# Allegro board FEE5_10_30.brd (continued)
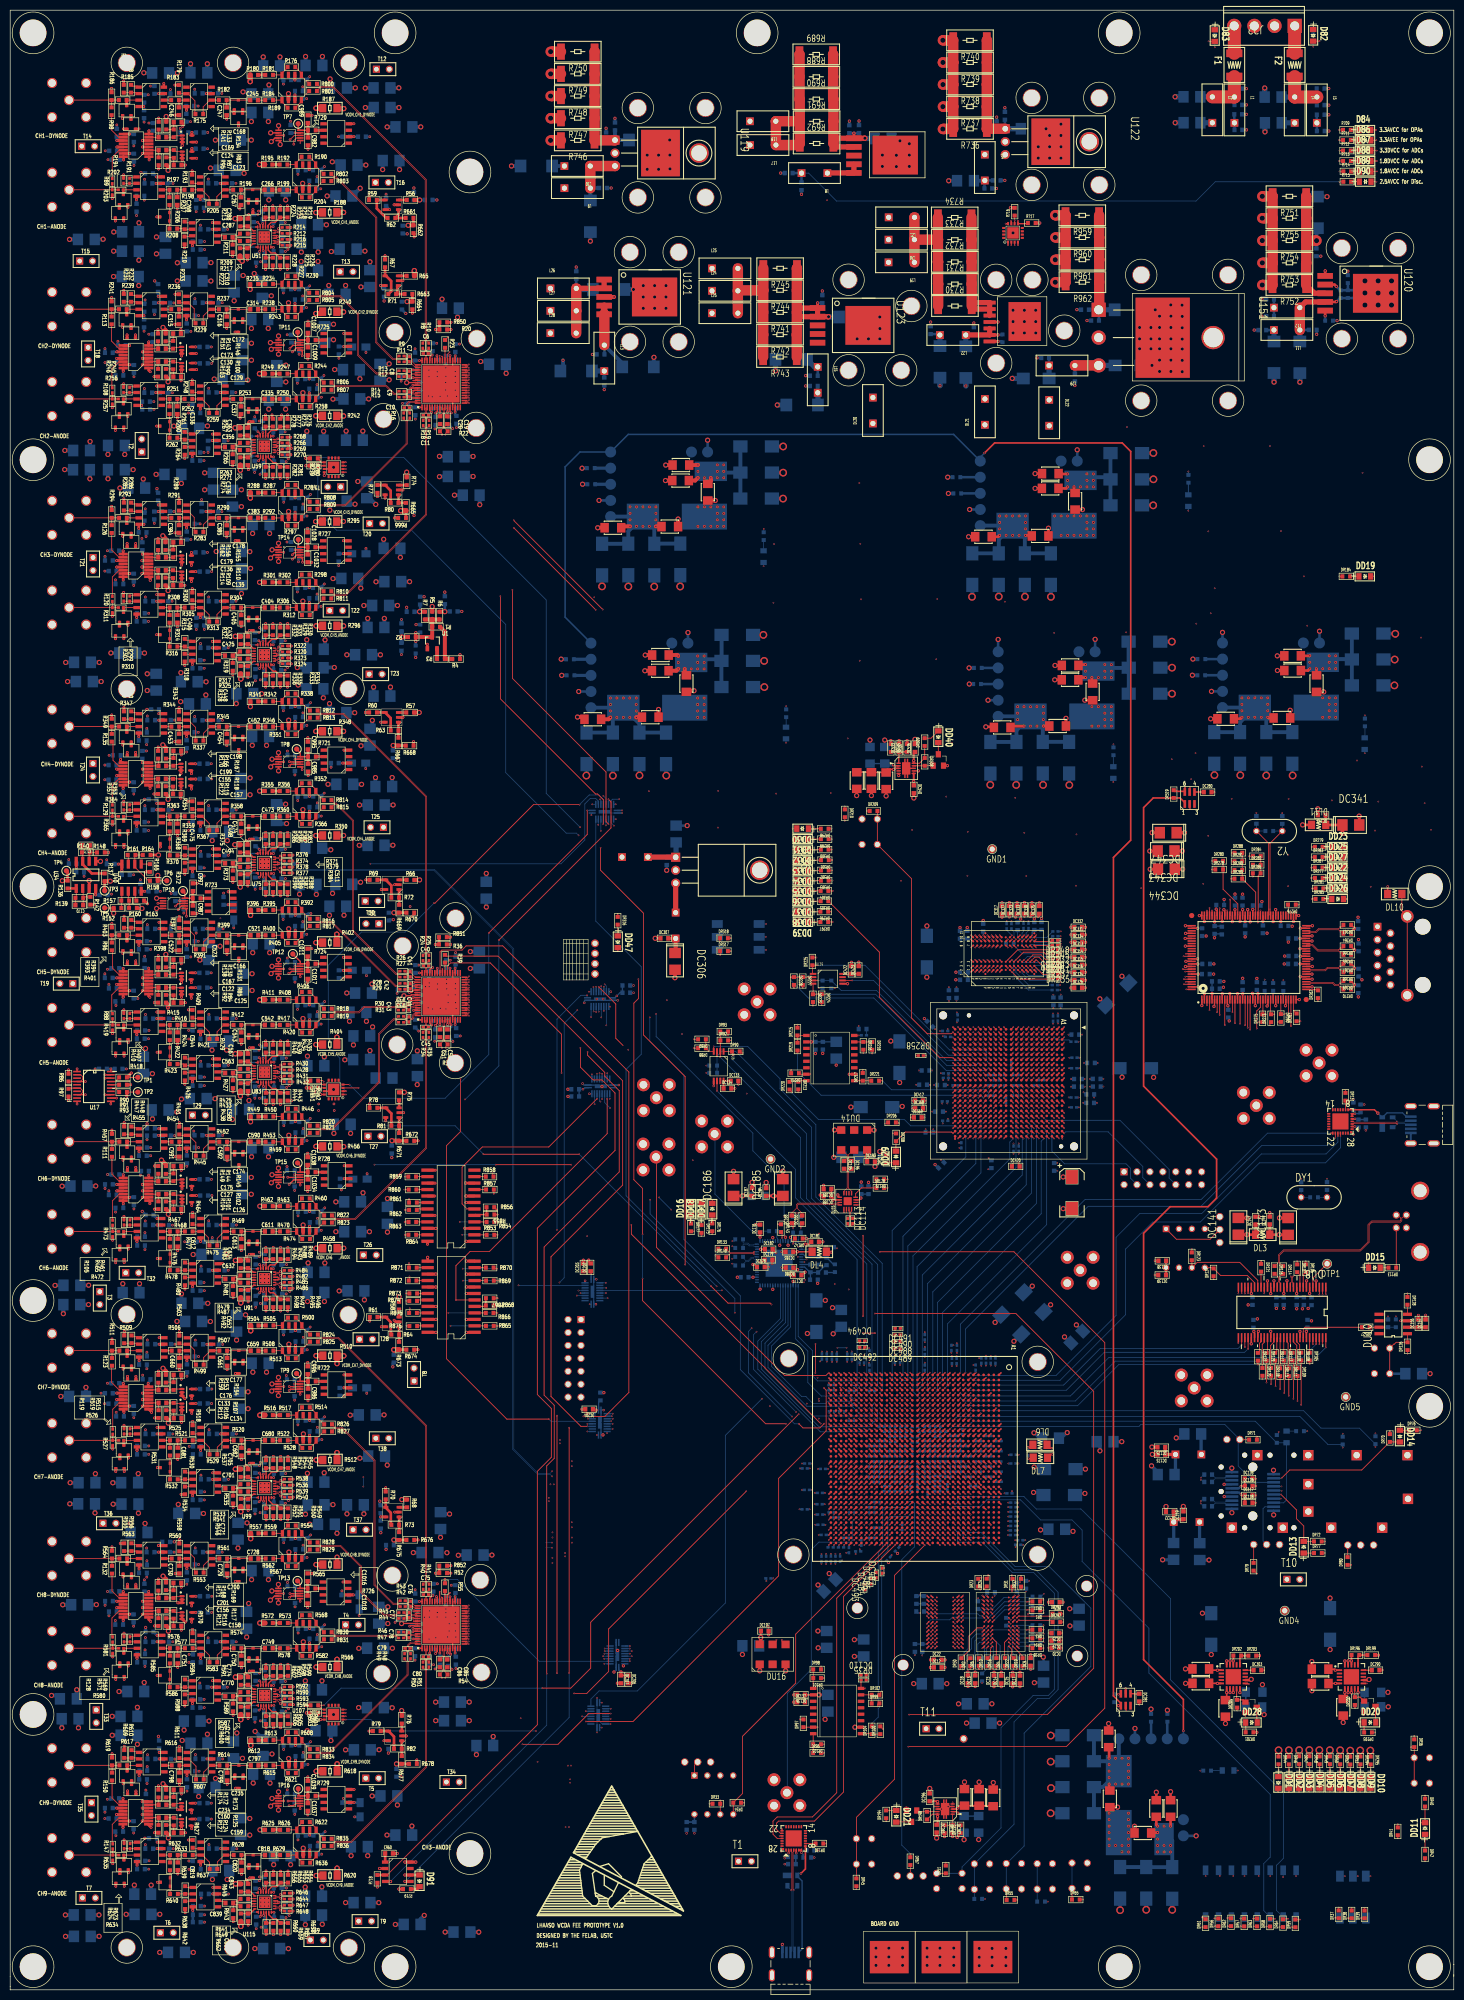
[diagram p0: board, top side]
## Routing (per net, layer and track width the routed paths; a pad name or vN(x,y) marks a point on that pad's centre or on a via; arc(x,y) is an arc through that point) (continued)
  S2 w0.152: v1(181.66,69.47) 182.39,69.47 183.59,68.28 189.37,68.28 190.17,69.08 192.19,69.08 v1(192.58,69.47)
  BOTTOM w0.152: DR15.2 194.46,65.14 194.46,67.6 v1(192.58,69.47)
A7_DDR3_A1: length 64.1
  TOP w0.152: v1(196.53,68.67) DU2.L7 195.31,68.2 195.31,65.25 DR4.2 ; DU1.L7 v1(185.61,68.67) ; DU4.N24 v1(182.65,97.32)
  S1 w0.152: v1(182.65,97.32) 182.66,97.32 183.13,96.85 183.13,86.91 184.06,85.98 193.17,85.98 194.64,84.51 194.64,70.62 193.1,69.08 186.02,69.08 v1(185.61,68.67)
  S3 w0.152: v1(196.53,68.67) 196.15,68.29 185.99,68.29 185.61,68.67 v1(185.61,68.67)
A7_DDR3_A2: length 65.1
  TOP w0.152: v1(192.58,68.67) DU2.L3 193.71,68.3 DR16.2 ; DU4.T28 v1(179.65,93.32) ; DU1.L3 v1(181.66,68.67)
  S2 w0.152: v1(181.66,68.67) 182.41,68.67 183.62,67.46 189.42,67.46 190.24,68.28 192.19,68.28 v1(192.58,68.67)
  S4 w0.152: v1(179.65,93.32) 179.17,92.84 179.17,86.81 176.33,83.97 176.33,83.25 176.17,83.1 175.23,83.1 175.08,82.95 175.08,82.64 175.23,82.49 176.17,82.49 176.33,82.34 176.33,82.03 176.17,81.88 175.23,81.88 175.08,81.73 175.08,81.42 175.23,81.27 176.17,81.27 176.33,81.12 176.33,80.81 176.17,80.66 175.23,80.66 175.08,80.51 175.08,80.2 175.23,80.05 176.17,80.05 176.33,79.9 176.33,79.59 176.17,79.44 175.23,79.44 175.08,79.29 175.08,78.98 175.23,78.83 176.17,78.83 176.33,78.68 176.33,78.37 176.17,78.22 175.23,78.22 175.08,78.07 175.08,77.76 175.23,77.61 176.17,77.61 176.33,77.46 176.33,77.15 176.17,77 175.23,77 175.08,76.85 175.08,76.54 175.23,76.39 176.17,76.39 176.33,76.24 176.33,75.94 176.17,75.78 175.23,75.78 175.08,75.63 175.08,75.33 175.23,75.17 176.17,75.17 176.33,75.02 176.33,74.72 176.17,74.56 175.23,74.56 175.08,74.41 175.08,74.11 175.23,73.95 176.17,73.95 177.48,72.65 180.86,72.65 181.27,72.24 181.27,69.07 v1(181.66,68.67)
A7_DDR3_A3: length 65.9
  TOP w0.152: DU4.U26 v1(178.65,95.32) ; DU2.K2 v1(191.78,69.47) ; DU1.K2 v1(180.86,69.47)
  S1 w0.152: 178.66,95.32 v1(178.65,95.32)
  S3 w0.152: v1(180.86,69.47) 180.86,69.5 181.24,69.88 191.38,69.88 v1(191.78,69.47)
  S5 w0.152: v1(178.65,95.32) 178.65,95.32 179.2,94.78 179.2,86.78 178.02,85.61 176.59,85.61 175.38,84.39 175.38,82.16 175.22,82.01 174.55,82.01 174.39,81.86 174.39,81.55 174.55,81.4 175.22,81.4 175.38,81.25 175.38,80.94 175.22,80.79 174.55,80.79 174.39,80.64 174.39,80.33 174.55,80.18 175.22,80.18 175.38,80.03 175.38,79.72 175.22,79.57 174.55,79.57 174.39,79.42 174.39,79.11 174.55,78.96 175.22,78.96 175.38,78.81 175.38,78.5 175.22,78.35 174.55,78.35 174.39,78.2 174.39,77.89 174.55,77.74 175.22,77.74 175.38,77.59 175.38,77.28 175.22,77.13 174.55,77.13 174.39,76.98 174.39,76.67 174.55,76.52 175.22,76.52 175.38,76.37 175.38,76.06 175.22,75.91 174.55,75.91 174.39,75.76 174.39,75.46 174.55,75.3 175.22,75.3 175.38,75.15 175.38,74.85 175.22,74.69 174.55,74.69 174.39,74.54 174.39,74.24 174.55,74.08 175.22,74.08 175.38,73.93 175.38,73.63 175.22,73.47 174.55,73.47 174.39,73.32 174.39,73.02 174.55,72.86 175.22,72.86 175.38,72.71 175.38,70.1 176.39,69.09 180.48,69.09 v1(180.86,69.47)
  BOTTOM w0.152: v1(191.78,69.47) 191.37,69.07 190.07,69.07 189.5,68.5 189.5,65.35 DR5.2
A7_DDR3_A4: length 64
  TOP w0.152: DU4.M32 v1(183.65,89.32) ; DU1.L8 v1(186.41,68.67) ; DU2.L8 v1(197.33,68.67)
  S4 w0.152: v1(186.41,68.67) 186.81,69.08 192.94,69.08 194.02,70.15 194.02,77.38 193.6,77.79 192.7,77.79 192.55,77.94 192.55,78.25 192.7,78.4 193.37,78.4 193.52,78.55 193.52,78.86 193.37,79.01 192.7,79.01 192.55,79.16 192.55,79.47 192.7,79.62 193.37,79.62 193.52,79.77 193.52,80.08 193.37,80.23 192.7,80.23 192.55,80.38 192.55,80.69 192.7,80.84 193.37,80.84 193.52,80.99 193.52,81.3 193.37,81.45 192.7,81.45 192.55,81.6 192.55,81.91 192.7,82.06 193.37,82.06 193.52,82.21 193.52,82.52 193.37,82.67 192.7,82.67 192.55,82.82 192.55,83.13 192.7,83.28 193.37,83.28 193.52,83.43 193.52,83.97 191.78,85.72 190.83,85.72 190.68,85.57 190.68,84.71 190.53,84.56 190.22,84.56 190.07,84.71 190.07,85.57 189.92,85.72 189.61,85.72 189.46,85.57 189.46,84.71 189.31,84.56 189,84.56 188.85,84.71 188.85,85.57 188.7,85.72 185.46,85.72 184.23,86.95 184.23,88.75 v1(183.65,89.32)
  S5 w0.152: v1(197.33,68.67) 196.94,68.28 186.82,68.28 186.42,68.67 v1(186.41,68.67)
  BOTTOM w0.152: DR17.2 200.76,68.27 197.74,68.27 v1(197.33,68.67)
A7_DDR3_A5: length 65.7
  TOP w0.152: DU4.U27 v1(178.65,94.32) ; DU1.L2 v1(180.86,68.67) ; DU2.L2 v1(191.78,68.67) ; DR6.2 190.08,64.92 v1(190.08,64.58)
  S3 w0.152: v1(180.86,68.67) 180.86,68.69 181.25,69.08 191.38,69.08 v1(191.78,68.67)
  S5 w0.152: v1(180.86,68.67) 180.45,68.27 175.11,68.27 173.96,69.42 173.96,71.47 173.81,71.63 173.29,71.63 173.14,71.78 173.14,72.08 173.29,72.24 173.81,72.24 173.96,72.39 173.96,72.69 173.81,72.84 173.29,72.84 173.14,73 173.14,73.3 173.29,73.45 173.81,73.45 173.96,73.61 173.96,73.91 173.81,74.06 173.29,74.06 173.14,74.22 173.14,74.52 173.29,74.67 173.81,74.67 173.96,74.83 173.96,75.13 173.81,75.28 173.29,75.28 173.14,75.44 173.14,75.74 173.29,75.89 173.81,75.89 173.96,76.05 173.96,76.35 173.81,76.5 173.29,76.5 173.14,76.65 173.14,76.96 173.29,77.11 173.81,77.11 173.96,77.26 173.96,77.57 173.81,77.72 173.29,77.72 173.14,77.87 173.14,78.18 173.29,78.33 173.81,78.33 173.96,78.48 173.96,78.79 173.81,78.94 173.29,78.94 173.14,79.09 173.14,79.4 173.29,79.55 173.81,79.55 173.96,79.7 173.96,80.01 173.81,80.16 173.29,80.16 173.14,80.31 173.14,80.62 173.29,80.77 173.81,80.77 173.96,80.92 173.96,81.23 173.81,81.38 173.29,81.38 173.14,81.53 173.14,81.84 173.29,81.99 173.81,81.99 173.96,82.14 173.96,84.32 175.72,86.08 177.15,86.08 178.2,87.14 178.2,93.87 v1(178.65,94.32)
  BOTTOM w0.152: v1(190.08,64.58) 190.08,67.9 190.44,68.27 191.37,68.27 v1(191.78,68.67)
A7_DDR3_A6: length 64.4
  TOP w0.152: DU2.M8 v1(197.33,67.87) ; v1(199.69,67.47) 200.53,67.47 200.8,67.2 DR18.2 ; DU1.M8 v1(186.41,67.87) ; DU4.M31 v1(183.65,90.32)
  S1 w0.152: v1(186.41,67.87) 186.41,67.87 186.81,67.48 196.94,67.48 v1(197.33,67.87)
  S4 w0.152: v1(186.41,67.87) 186.81,68.27 193.79,68.27 195.59,70.07 195.59,78.48 195.11,78.96 194.25,78.96 194.09,79.12 194.09,79.42 194.25,79.57 195.11,79.57 195.26,79.73 195.26,80.03 195.11,80.18 194.25,80.18 194.09,80.34 194.09,80.64 194.25,80.79 195.11,80.79 195.26,80.95 195.26,81.25 195.11,81.4 194.25,81.4 194.09,81.56 194.09,81.86 194.25,82.01 195.11,82.01 195.26,82.16 195.26,82.47 195.11,82.62 194.25,82.62 194.09,82.77 194.09,83.08 194.25,83.23 195.11,83.23 195.26,83.38 195.26,83.76 192.64,86.39 185.8,86.39 185.22,86.96 185.22,89.55 184.97,89.8 184.17,89.8 v1(183.65,90.32)
  BOTTOM w0.152: v1(197.33,67.87) 197.74,67.47 v1(199.69,67.47)
A7_DDR3_A7: length 64.2
  TOP w0.152: DU2.M2 v1(191.78,67.87) ; DU4.T27 v1(179.65,94.32) ; DU1.M2 v1(180.86,67.87)
  S1 w0.152: v1(180.86,67.87) 181.26,68.28 182.4,68.28 182.55,68.43 182.55,68.86 182.7,69.01 183.27,69.01 183.42,69.17 183.42,69.47 183.27,69.62 182.7,69.62 182.55,69.78 182.55,70.08 182.7,70.23 183.27,70.23 183.42,70.39 183.42,70.69 183.27,70.84 182.7,70.84 182.55,71 182.55,71.3 182.7,71.45 183.27,71.45 183.42,71.6 183.42,71.91 183.27,72.06 182.7,72.06 182.55,72.21 182.55,77.25 180.68,79.12 180.46,79.12 179.54,78.2 179.33,78.2 179.11,78.41 179.11,78.63 180.03,79.55 180.03,79.76 179.81,79.98 179.6,79.98 178.68,79.06 178.46,79.06 178.25,79.28 178.25,79.49 179.17,80.41 179.17,81.31 179.01,81.46 177.83,81.46 177.68,81.62 177.68,81.92 177.83,82.07 179.01,82.07 179.17,82.22 179.17,82.53 179.01,82.68 177.83,82.68 177.68,82.83 177.68,83.14 177.83,83.29 179.01,83.29 179.17,83.44 179.17,83.75 179.01,83.9 177.83,83.9 177.68,84.05 177.68,84.36 177.83,84.51 179.01,84.51 179.17,84.66 179.17,93.81 179.65,94.29 v1(179.65,94.32)
  S2 w0.152: v1(191.78,67.87) 191.39,67.48 190.24,67.48 189.36,66.6 183.72,66.6 182.03,68.29 181.27,68.29 180.86,67.88 v1(180.86,67.87)
  BOTTOM w0.152: DR7.2 191.38,65.51 191.38,67.48 v1(191.78,67.87)
A7_DDR3_A8: length 62.6
  TOP w0.152: DU2.N8 v1(197.33,67.07) 198.87,65.54 DR19.2 ; DU1.N8 v1(186.41,67.07) ; DU4.P25 v1(181.65,96.32)
  S5 w0.152: v1(197.33,67.07) 196.89,66.63 186.86,66.63 v1(186.41,67.07) 185.94,66.6 184.44,66.6 184.29,66.75 184.29,67.46 184.14,67.61 183.38,67.61 183.23,67.76 183.23,68.07 183.38,68.22 184.14,68.22 184.29,68.37 184.29,68.68 184.14,68.83 183.38,68.83 183.23,68.98 183.23,69.29 183.38,69.44 184.14,69.44 184.29,69.59 184.29,69.9 184.14,70.05 183.38,70.05 183.23,70.2 183.23,70.51 183.38,70.66 184.14,70.66 184.29,70.81 184.29,71.11 184.14,71.27 183.38,71.27 183.23,71.42 183.23,71.72 183.38,71.88 184.14,71.88 184.29,72.03 184.29,72.33 184.14,72.49 183.38,72.49 183.23,72.64 183.23,72.94 183.38,73.1 184.14,73.1 184.29,73.25 184.29,73.55 184.14,73.71 183.38,73.71 183.23,73.86 183.23,74.16 183.38,74.32 184.14,74.32 184.29,74.47 184.29,74.77 184.14,74.92 183.38,74.92 183.23,75.08 183.23,75.38 183.38,75.53 184.14,75.53 184.29,75.69 184.29,75.99 184.14,76.14 183.38,76.14 183.23,76.3 183.23,76.6 183.38,76.75 184.14,76.75 184.29,76.91 184.29,84.08 182.19,86.18 182.19,95.79 181.66,96.32 v1(181.65,96.32)
A7_DDR3_A9: length 64
  TOP w0.152: DU4.R28 v1(180.65,93.32) ; DU1.M3 v1(181.66,67.87) ; DU2.M3 v1(192.58,67.87)
  S4 w0.152: v1(180.65,93.32) 180.24,92.91 180.24,86.79 178.16,84.71 178.16,83.98 178.01,83.83 177,83.83 176.84,83.68 176.84,83.37 177,83.22 178.01,83.22 178.16,83.07 178.16,82.76 178.01,82.61 177,82.61 176.84,82.46 176.84,82.15 177,82 178.01,82 178.16,81.85 178.16,81.54 178.01,81.39 177,81.39 176.84,81.24 176.84,80.93 177,80.78 178.01,80.78 178.16,80.63 178.16,80.32 178.01,80.17 177,80.17 176.84,80.02 176.84,79.71 177,79.56 178.01,79.56 178.16,79.41 178.16,79.1 178.01,78.95 177,78.95 176.84,78.8 176.84,78.49 177,78.34 178.01,78.34 178.16,78.19 178.16,77.88 178.01,77.73 177,77.73 176.84,77.58 176.84,77.27 177,77.12 178.01,77.12 178.16,76.97 178.16,76.66 178.01,76.51 177,76.51 176.84,76.36 176.84,76.06 177,75.9 178.01,75.9 178.16,75.75 178.16,75.03 178.57,74.62 182.02,74.62 182.46,74.18 182.46,68.68 v1(181.66,67.87) 181.66,67.87 183.31,66.22 191.59,66.22 192.17,66.8 192.17,67.46 v1(192.58,67.87)
  BOTTOM w0.152: DR8.2 193.13,65.5 193.13,67.33 v1(192.58,67.87)
A7_DDR3_A10: length 64.2
  TOP w0.152: DU4.T25 v1(179.65,96.32) ; DU1.H7 v1(185.61,71.07) ; DU2.H7 v1(196.53,71.07)
  S1 w0.152: v1(185.61,71.07) 184.73,71.07 184.53,71.27 184.53,73.01 184.38,73.16 183.42,73.16 183.27,73.31 183.27,73.62 183.42,73.77 184.38,73.77 184.53,73.92 184.53,74.23 184.38,74.38 183.42,74.38 183.27,74.53 183.27,74.84 183.42,74.99 184.38,74.99 184.53,75.14 184.53,75.45 184.38,75.6 183.42,75.6 183.27,75.75 183.27,76.06 183.42,76.21 184.38,76.21 184.53,76.36 184.53,76.67 184.38,76.82 183.42,76.82 183.27,76.97 183.27,77.28 183.42,77.43 184.38,77.43 184.53,77.58 184.53,78.16 183.78,78.91 183.56,78.91 182.76,78.11 182.54,78.11 182.33,78.33 182.33,78.54 183.13,79.34 183.13,79.56 182.91,79.78 182.7,79.78 181.9,78.97 181.68,78.97 181.46,79.19 181.46,79.4 182.27,80.21 182.27,80.42 182.05,80.64 181.84,80.64 181.03,79.84 180.82,79.84 180.6,80.05 180.6,80.27 181.4,81.07 181.4,81.29 181.19,81.5 180.97,81.5 180.17,80.7 179.95,80.7 179.74,80.91 179.74,81.13 180.22,81.61 180.22,95.79 179.69,96.32 v1(179.65,96.32)
  S5 w0.152: v1(185.61,71.07) 185.61,71.08 186,71.46 196.15,71.46 v1(196.53,71.07)
  BOTTOM w0.152: DR20.2 200.81,71.57 197.03,71.57 v1(196.53,71.07)
A7_DDR3_A11: length 62.8
  TOP w0.152: DU2.M7 v1(196.53,67.87) ; DU4.M30 v1(183.65,91.32) ; DU1.M7 v1(185.61,67.87)
  S1 w0.152: v1(183.65,91.32) 183.66,91.32 184.21,90.77 184.21,87.06 184.57,86.7 193.82,86.7 195.17,85.35 195.91,85.35 196.07,85.2 196.07,84.89 195.91,84.74 195.17,84.74 195.02,84.59 195.02,84.28 195.17,84.13 195.91,84.13 196.07,83.98 196.07,83.67 195.91,83.52 195.17,83.52 195.02,83.37 195.02,83.06 195.17,82.91 195.91,82.91 196.07,82.76 196.07,82.46 195.91,82.3 195.6,82.3 195.45,82.15 195.45,70.13 193.57,68.26 186,68.26 v1(185.61,67.87)
  S3 w0.152: v1(196.53,67.87) 196.12,67.46 186.01,67.46 185.61,67.86 v1(185.61,67.87)
  BOTTOM w0.152: DR9.2 196,65.3 196,67.34 v1(196.53,67.87)
A7_DDR3_A12: length 65
  TOP w0.152: DU1.K7 v1(185.61,69.47) ; DU2.K7 v1(196.53,69.47) ; DU4.R27 v1(180.65,94.32)
  S4 w0.152: v1(185.61,69.47) 184.17,69.47 183.33,70.31 183.33,76.86 182.09,78.1 180.49,78.1 179.93,78.66 179.93,79.11 180.08,79.27 181.13,79.27 181.28,79.42 181.28,79.72 181.13,79.88 178.73,79.88 178.58,80.03 178.58,80.33 178.73,80.48 181.13,80.48 181.28,80.64 181.28,80.94 181.13,81.09 178.73,81.09 178.58,81.25 178.58,81.55 178.73,81.7 181.13,81.7 181.28,81.86 181.28,82.16 181.13,82.31 178.73,82.31 178.58,82.47 178.58,82.77 178.73,82.92 181.13,82.92 181.28,83.08 181.28,83.38 181.13,83.53 180.08,83.53 179.93,83.69 179.93,83.96 181.12,85.15 181.12,93.87 180.66,94.32 v1(180.65,94.32)
  S5 w0.152: v1(185.61,69.47) 185.66,69.47 186.06,69.87 196.14,69.87 v1(196.53,69.47)
  BOTTOM w0.152: v1(196.53,69.47) 196.53,69.27 196.59,69.22 196.6,69.22 196.94,68.88 196.94,66.13 DR21.2
A7_DDR3_A13: length 63.7
  TOP w0.152: DU4.R25 v1(180.65,96.32) ; DU1.N3 v1(181.66,67.07) ; DU2.N3 v1(192.58,67.07) 192.58,65.72 DR10.2
  S2 w0.152: v1(181.66,67.07) 181.66,66.98 182.78,65.86 192.08,65.86 192.58,66.36 v1(192.58,67.07)
  S5 w0.152: v1(180.65,96.32) 180.16,95.83 178.14,95.83 177.47,95.17 177.47,87.4 176.69,86.62 175.14,86.62 174.64,86.12 174.53,86.23 174.09,86.23 173.78,85.92 173.78,85.48 173.89,85.36 172.87,84.34 173.08,84.13 173.08,83.69 172.77,83.37 172.54,83.37 172.54,80.79 172.39,80.64 171.86,80.64 171.71,80.48 171.71,80.18 171.86,80.03 172.39,80.03 172.54,79.87 172.54,79.57 172.39,79.42 171.86,79.42 171.71,79.27 171.71,78.96 171.86,78.81 172.39,78.81 172.54,78.66 172.54,78.35 172.39,78.2 171.86,78.2 171.71,78.05 171.71,77.74 171.86,77.59 172.39,77.59 172.54,77.44 172.54,69.02 174.08,67.48 181.26,67.48 v1(181.66,67.07)
A7_DDR3_A14: length 62.6
  TOP w0.152: DU1.N7 v1(185.61,67.07) ; DR22.2 196.76,65.49 196.76,66.85 v1(196.53,67.07) DU2.N7 ; DU4.N27 v1(182.65,94.32)
  S3 w0.152: v1(196.53,67.07) 195.95,66.49 186.19,66.49 185.61,67.07 v1(185.61,67.07)
  S5 w0.152: v1(185.61,67.07) 185.17,67.52 185.17,77.13 186.62,78.57 186.62,78.58 186.77,78.73 187.83,78.73 187.98,78.88 187.98,79.19 187.83,79.34 185.41,79.34 185.25,79.49 185.25,79.8 185.41,79.95 187.83,79.95 187.98,80.1 187.98,80.41 187.83,80.56 185.41,80.56 185.25,80.71 185.25,81.02 185.41,81.17 187.83,81.17 187.98,81.32 187.98,81.63 187.83,81.78 185.41,81.78 185.25,81.93 185.25,82.24 185.41,82.39 187.83,82.39 187.98,82.54 187.98,82.85 187.83,83 186.77,83 183.17,86.6 183.17,93.79 182.65,94.3 v1(182.65,94.32)
A7_DDR3_A15: length 65.1
  TOP w0.152: DU4.N28 v1(182.65,93.32) ; DU1.J7 v1(185.61,70.27) ; DU2.J7 v1(196.53,70.27)
  S4 w0.152: v1(182.65,93.32) 182.65,93.27 182.2,92.81 182.2,84.13 182.35,83.98 184.94,83.98 185.1,83.83 185.1,83.52 184.94,83.37 182.35,83.37 182.2,83.22 182.2,82.91 182.35,82.76 184.94,82.76 185.1,82.61 185.1,82.3 184.94,82.15 182.35,82.15 182.2,82 182.2,81.69 182.35,81.54 184.94,81.54 185.1,81.39 185.1,81.08 184.94,80.93 182.35,80.93 182.2,80.78 182.2,80.47 182.35,80.32 184.94,80.32 185.1,80.17 185.1,79.86 184.94,79.71 182.4,79.71 182.25,79.56 182.25,79.34 182.54,79.06 184.06,79.06 184.37,78.75 184.37,70.73 184.83,70.27 v1(185.61,70.27)
  S5 w0.152: v1(185.61,70.27) 186.02,70.68 196.13,70.68 v1(196.53,70.27)
  BOTTOM w0.152: DR11.2 200.79,69.88 196.93,69.88 v1(196.53,70.27)
A7_DDR3_BA0: length 69.4
  TOP w0.152: v1(188.02,64.63) 188.02,64.69 188.45,65.12 DR2.2 ; DU1.J2 v1(180.86,70.27) ; DU2.J2 v1(191.78,70.27) ; DU4.R30 v1(180.65,91.32)
  S2 w0.152: v1(180.65,91.32) 180.17,90.84 180.17,87.1 176.75,83.68 176.75,83.12 176.59,82.97 175.71,82.97 175.56,82.82 175.56,82.51 175.71,82.36 176.59,82.36 176.75,82.21 176.75,81.9 176.59,81.75 175.71,81.75 175.56,81.6 175.56,81.3 175.71,81.14 176.59,81.14 176.75,80.99 176.75,80.69 176.59,80.53 175.71,80.53 175.56,80.38 175.56,80.08 175.71,79.92 176.59,79.92 176.75,79.77 176.75,79.47 176.59,79.31 175.71,79.31 175.56,79.16 175.56,78.86 175.71,78.7 176.59,78.7 176.75,78.55 176.75,78.25 176.59,78.09 175.71,78.09 175.56,77.94 175.56,77.64 175.71,77.49 176.59,77.49 176.75,77.33 176.75,77.03 176.59,76.88 175.71,76.88 175.56,76.72 175.56,76.42 175.71,76.27 176.59,76.27 176.75,76.11 176.75,75.81 176.59,75.66 175.71,75.66 175.56,75.5 175.56,75.2 175.71,75.05 176.59,75.05 176.75,74.89 176.75,74.59 176.59,74.44 175.71,74.44 175.56,74.28 175.56,73.98 175.71,73.83 176.59,73.83 176.75,73.68 176.75,73.37 176.59,73.22 175.71,73.22 175.56,73.07 175.56,72.76 175.71,72.61 176.59,72.61 176.75,72.46 176.75,72.15 176.59,72 175.71,72 175.56,71.85 175.56,71.54 177.24,69.86 180.45,69.86 v1(180.86,70.27) 180.88,70.27 181.28,70.68 182.77,70.68 183.56,69.89 189.34,69.89 190.12,70.67 191.39,70.67 v1(191.78,70.27)
  BOTTOM w0.152: v1(191.78,70.27) 191.38,69.87 189.77,69.87 188.82,68.92 188.82,66.94 188.02,66.14 v1(188.02,64.63)
A7_DDR3_BA1: length 64.4
  TOP w0.152: DR14.2 200.74,69.08 v1(199.67,69.08) ; DU1.K8 v1(186.41,69.47) ; DU4.P24 v1(181.65,97.32) ; DU2.K8 v1(197.33,69.47)
  S1 w0.152: v1(181.65,97.32) 181.66,97.32 182.17,96.81 182.17,87.19 186.55,82.82 187.49,82.82 187.64,82.97 187.64,84.16 187.79,84.32 188.1,84.32 188.25,84.16 188.25,82.97 188.4,82.82 188.71,82.82 188.86,82.97 188.86,84.16 189.01,84.32 189.32,84.32 189.47,84.16 189.47,82.97 189.62,82.82 191.44,82.82 193.95,80.3 193.95,70.85 192.98,69.88 186.81,69.88 v1(186.41,69.47)
  S5 w0.152: v1(186.41,69.47) 186.41,69.45 186.81,69.06 196.92,69.06 v1(197.33,69.47)
  BOTTOM w0.152: v1(199.67,69.08) 197.73,69.08 v1(197.33,69.47)
A7_DDR3_BA2: length 70.5
  TOP w0.152: DR3.2 200.76,70.68 v1(199.65,70.68) ; DU1.J3 v1(181.66,70.27) ; DU4.T29 v1(179.65,92.32) ; DU2.J3 v1(192.58,70.27)
  S2 w0.152: v1(179.65,92.32) 179.65,92.29 179.11,91.75 179.11,87.18 174.99,83.07 174.99,82.46 174.84,82.3 174.14,82.3 173.98,82.15 173.98,81.85 174.14,81.69 174.84,81.69 174.99,81.54 174.99,81.24 174.84,81.08 174.14,81.08 173.98,80.93 173.98,80.63 174.14,80.48 174.84,80.48 174.99,80.32 174.99,80.02 174.84,79.87 174.14,79.87 173.98,79.71 173.98,79.41 174.14,79.26 174.84,79.26 174.99,79.1 174.99,78.8 174.84,78.65 174.14,78.65 173.98,78.49 173.98,78.19 174.14,78.04 174.84,78.04 174.99,77.88 174.99,77.58 174.84,77.43 174.14,77.43 173.98,77.27 173.98,76.97 174.14,76.82 174.84,76.82 174.99,76.67 174.99,76.36 174.84,76.21 174.14,76.21 173.98,76.06 173.98,75.75 174.14,75.6 174.84,75.6 174.99,75.45 174.99,75.14 174.84,74.99 174.14,74.99 173.98,74.84 173.98,74.53 174.14,74.38 174.84,74.38 174.99,74.23 174.99,73.92 174.84,73.77 174.14,73.77 173.98,73.62 173.98,73.31 174.14,73.16 174.84,73.16 174.99,73.01 174.99,72.7 174.84,72.55 174.14,72.55 173.98,72.4 173.98,72.09 174.14,71.94 174.84,71.94 174.99,71.79 174.99,71.48 174.84,71.33 174.14,71.33 173.98,71.18 173.98,70.87 174.14,70.72 174.74,70.72 176.37,69.09 181.11,69.09 181.26,69.24 181.26,69.87 v1(181.66,70.27) 182.41,70.27 183.6,69.08 189.3,69.08 190.1,69.88 192.18,69.88 v1(192.58,70.27)
  BOTTOM w0.152: v1(192.58,70.27) 192.98,70.67 199.65,70.67 v1(199.65,70.68)
A7_DDR3_CAS_N: length 68.9
  TOP w0.152: DU4.N31 v1(182.65,90.32) ; v1(199.72,74.62) 199.72,74.62 200.72,74.62 DR1.2 ; DU1.G3 v1(181.66,71.87) ; DU2.G3 v1(193.33,72.63)
  S2 w0.152: v1(182.65,90.32) 182.23,89.9 182.23,86.98 181.34,86.09 181.34,85.34 181.73,84.95 183.1,84.95 183.26,84.79 183.26,84.49 183.1,84.34 180.05,84.34 179.9,84.18 179.9,83.88 180.05,83.73 183.1,83.73 183.26,83.57 183.26,83.27 183.1,83.12 180.05,83.12 179.9,82.96 179.9,82.66 180.05,82.51 183.1,82.51 183.26,82.35 183.26,82.05 183.1,81.9 180.05,81.9 179.9,81.74 179.9,81.44 180.05,81.29 183.1,81.29 183.26,81.14 183.26,80.83 183.1,80.68 180.05,80.68 179.9,80.53 179.9,80.22 180.05,80.07 181.43,80.07 181.58,79.92 181.58,79.62 179.57,77.61 179.57,72.98 180.22,72.32 181.21,72.32 v1(181.66,71.87) 183.19,71.87 183.57,71.49 192.2,71.49 v1(193.33,72.63)
  BOTTOM w0.152: v1(199.72,74.62) 199.71,74.62 195.33,74.62 v1(193.33,72.63)
A7_DDR3_CK_N0: length 61.7
  TOP w0.102: DU2.G7 v1(196.53,71.87) ; DU1.G7 v1(185.58,71.91) ; DU4.P26 v1(181.65,95.32)
  S1 w0.102: v1(181.65,95.32) 181.26,94.93 181.26,84.91 182.5,83.68 182.64,83.68 183.15,84.18 183.47,84.18 183.74,83.91 183.74,83.59 182.49,82.34 182.49,82.2 182.64,82.06 182.78,82.06 184.03,83.3 184.35,83.3 184.62,83.03 184.62,82.71 183.37,81.46 183.37,81.32 183.52,81.18 183.66,81.18 184.91,82.42 185.23,82.42 185.5,82.15 185.5,81.83 184.26,80.58 184.26,80.44 184.4,80.29 184.54,80.29 185.79,81.54 186.11,81.54 186.38,81.27 186.38,80.95 185.14,79.7 185.14,79.56 185.28,79.41 185.42,79.41 186.67,80.66 186.99,80.66 187.26,80.39 187.26,80.06 186.02,78.82 186.02,78.68 186.16,78.53 186.31,78.53 186.81,79.04 187.13,79.04 188.59,77.59 188.59,72.72 187.91,72.05 185.83,72.05 185.69,71.91 v1(185.58,71.91)
  S3 w0.102: v1(196.53,71.87) 196.37,72.04 185.71,72.04 v1(185.58,71.91)
  BOTTOM w0.102: v1(196.53,71.87) 196.01,71.87 DR25.1
A7_DDR3_CK_N1: length 0.6
  TOP w0.102: DU4.M27 v1(183.65,94.32)
A7_DDR3_CK_P0: length 61.7
  TOP w0.102: DU2.F7 v1(196.53,72.67) ; DU4.R26 v1(180.65,95.32) ; DU1.F7 v1(185.58,72.71)
  S1 w0.102: v1(185.58,72.71) 185.58,72.6 185.92,72.27 187.82,72.27 188.37,72.81 188.37,77.5 187.04,78.82 186.9,78.82 186.4,78.32 186.07,78.32 185.8,78.59 185.8,78.91 187.05,80.15 187.05,80.3 186.9,80.44 186.76,80.44 185.51,79.2 185.19,79.2 184.92,79.47 184.92,79.79 186.17,81.04 186.17,81.18 186.02,81.32 185.88,81.32 184.63,80.08 184.31,80.08 184.04,80.35 184.04,80.67 185.29,81.92 185.29,82.06 185.14,82.2 185,82.2 183.75,80.96 183.43,80.96 183.16,81.23 183.16,81.55 184.4,82.8 184.4,82.94 184.26,83.09 184.12,83.09 182.87,81.84 182.55,81.84 182.28,82.11 182.28,82.43 183.52,83.68 183.52,83.82 183.38,83.97 183.23,83.97 182.73,83.46 182.41,83.46 181.05,84.82 181.05,94.93 v1(180.65,95.32)
  S3 w0.102: v1(185.58,72.71) 186.03,72.26 196.12,72.26 v1(196.53,72.67)
  BOTTOM w0.102: v1(196.53,72.67) 196.01,72.67 DR25.2
A7_DDR3_CK_P1: length 0.6
  TOP w0.102: DU4.N26 v1(182.65,95.32)
A7_DDR3_CKE0: length 67.9
  TOP w0.152: DU2.G9 v1(198.13,72.63) 198.2,72.56 204.46,72.56 204.75,72.27 DR292.1 ; DU4.M29 v1(183.65,92.32) ; DU1.G9 v1(187.21,72.63)
  S5 w0.152: v1(198.13,72.63) 197.72,73.04 196.93,73.04 196.61,73.36 195.02,73.36 193.86,72.2 187.64,72.2 187.22,72.63 v1(187.21,72.63) 187.61,73.03 193.76,73.03 194.54,73.81 194.54,79.15 194.69,79.3 195.43,79.3 195.58,79.45 195.58,79.76 195.43,79.91 193.65,79.91 193.5,80.06 193.5,80.37 193.65,80.52 195.43,80.52 195.58,80.67 195.58,80.98 195.43,81.13 193.65,81.13 193.5,81.28 193.5,81.59 193.65,81.74 195.43,81.74 195.58,81.89 195.58,82.19 195.43,82.35 193.65,82.35 193.5,82.5 193.5,82.8 193.65,82.96 195.43,82.96 195.58,83.11 195.58,83.41 195.43,83.57 194.69,83.57 191.67,86.59 185.65,86.59 185.16,87.09 185.16,90.81 183.65,92.31 v1(183.65,92.32)
A7_DDR3_CKE1: length 67
  TOP w0.152: DU2.F9 v1(198.13,73.43) 198.19,73.37 204.34,73.37 204.75,73.78 DR293.1 ; DU1.F9 v1(187.21,73.43) ; DU4.N29 v1(182.65,92.32)
  S3 w0.152: v1(198.13,73.43) 197.74,73.83 195.65,73.83 194.87,73.04 187.6,73.04 187.22,73.43 v1(187.21,73.43)
  S4 w0.152: v1(182.65,92.32) 182.65,92.31 183.24,91.73 183.24,86.13 184.47,84.9 187.19,84.9 187.78,84.31 187.78,83.71 187.63,83.55 186.28,83.55 186.12,83.4 186.12,83.1 186.28,82.94 189.28,82.94 189.43,82.79 189.43,82.49 189.28,82.34 186.28,82.34 186.12,82.18 186.12,81.88 186.28,81.73 189.28,81.73 189.43,81.57 189.43,81.27 189.28,81.12 186.28,81.12 186.12,80.96 186.12,80.66 186.28,80.51 189.28,80.51 189.43,80.35 189.43,80.05 189.28,79.9 186.28,79.9 186.12,79.74 186.12,79.44 186.28,79.29 189.28,79.29 189.43,79.13 189.43,78.83 188.43,77.83 188.43,74.65 v1(187.21,73.43)
A7_DDR3_CS_N0: length 68.6
  TOP w0.152: DU1.H2 v1(180.86,71.07) ; DU4.P30 v1(181.65,91.32) ; DU2.H2 v1(191.78,71.07)
  S2 w0.152: v1(181.65,91.32) 181.22,90.89 181.22,86.93 177.49,83.19 177.49,82.48 177.64,82.32 178.37,82.32 178.52,82.17 178.52,81.77 178.37,81.62 177.31,81.62 177.16,81.47 177.16,81.16 177.31,81.01 178.37,81.01 178.52,80.86 178.52,80.55 178.37,80.4 177.31,80.4 177.16,80.25 177.16,79.94 177.31,79.79 178.37,79.79 178.52,79.64 178.52,79.33 178.37,79.18 177.31,79.18 177.16,79.03 177.16,78.72 177.31,78.57 178.37,78.57 178.52,78.42 178.52,78.12 178.37,77.96 177.31,77.96 177.16,77.81 177.16,77.51 177.31,77.35 178.37,77.35 178.52,77.2 178.52,76.9 178.37,76.74 177.31,76.74 177.16,76.59 177.16,76.29 177.31,76.13 178.37,76.13 178.52,75.98 178.52,75.68 178.37,75.52 177.31,75.52 177.16,75.37 177.16,75.07 177.31,74.91 178.37,74.91 178.52,74.76 178.52,74.46 178.37,74.31 177.31,74.31 177.16,74.15 177.16,73.85 177.31,73.7 178.37,73.7 178.52,73.54 178.52,73.24 178.37,73.09 177.31,73.09 177.16,72.93 177.16,72.63 177.31,72.48 178.37,72.48 178.52,72.32 178.52,72.02 178.37,71.87 177.31,71.87 177.16,71.71 177.16,71.41 177.31,71.26 178.37,71.26 178.95,70.67 180.46,70.67 v1(180.86,71.07)
  S3 w0.152: v1(180.86,71.07) 180.86,71.08 181.24,71.46 191.4,71.46 v1(191.78,71.07)
  BOTTOM w0.152: v1(191.78,71.07) 191.38,70.67 189.64,70.67 188.2,69.23 188.2,67.04 187.38,66.22 187.38,65.38 DR29.2
